# Altium PCB PowerTowerAdapterUltraZohm.PcbDoc (part 1 of 2) (continued)
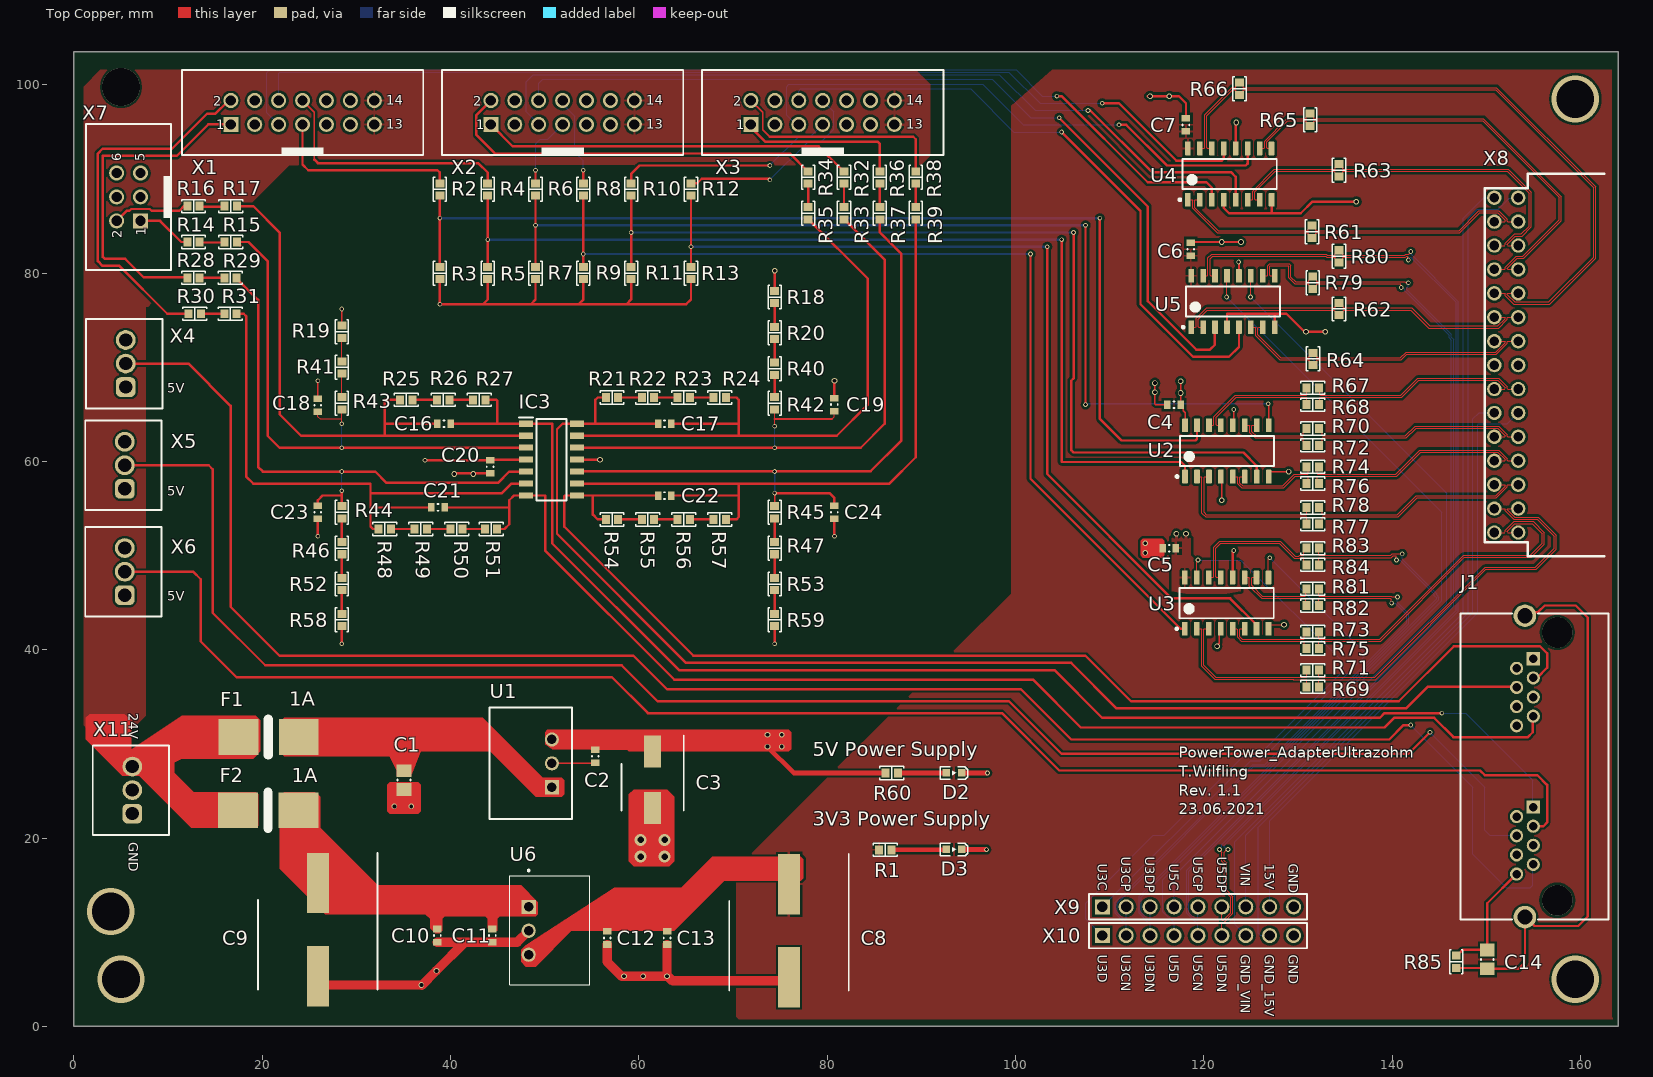
[diagram p0: Top Copper view]
## Components (designator, comment, footprint, x,y, rotation, side; value= is the part's Value field where it differs from the comment) (continued)
R38 "20k" "RES 0603_1608" 89.408,90.17 r270 top
R39 "30k" "RES 0603_1608" 89.408,86.36 r270 top
R40 "56k" "RES 0603_1608" 74.422,69.85 r90 top
R41 "200R" "RES 0603_1608" 28.448,69.992 r90 top
R42 "56k" "RES 0603_1608" 74.422,66.182 r90 top
R43 "91k" "RES 0603_1608" 28.448,66.182 r90 top
R44 "56k" "RES 0603_1608" 28.448,54.61 r270 top
R45 "56k" "RES 0603_1608" 74.422,54.61 r270 top
R46 "56k" "RES 0603_1608" 28.448,50.8 r270 top
R47 "56k" "RES 0603_1608" 74.422,50.8 r270 top
R48 "56k" "RES 0603_1608" 33.02,52.832 r0 top
R49 "56k" "RES 0603_1608" 36.83,52.832 r0 top
R50 "560R" "RES 0603_1608" 40.64,52.832 r0 top
R51 "240R" "RES 0603_1608" 44.308,52.832 r0 top
R52 "560R" "RES 0603_1608" 28.448,46.99 r270 top
R53 "560R" "RES 0603_1608" 74.422,46.99 r270 top
R54 "56k" "RES 0603_1608" 57.15,53.848 r0 top
R55 "56k" "RES 0603_1608" 60.96,53.848 r0 top
R56 "560R" "RES 0603_1608" 64.77,53.848 r0 top
R57 "240R" "RES 0603_1608" 68.58,53.848 r0 top
R58 "240R" "RES 0603_1608" 28.448,43.18 r270 top
R59 "240R" "RES 0603_1608" 74.422,43.18 r270 top
R60 "1k1" "RES 0603_1608" 86.868,26.924 r180 top
R61 "dnp" "RES 0603_1608" 131.5,84.4 r90 top
R62 "dnp" "RES 0603_1608" 134.366,76.2 r270 top
R63 "dnp" "RES 0603_1608" 134.366,90.932 r90 top
R64 "dnp" "RES 0603_1608" 131.6,70.9 r270 top
R65 "dnp" "RES 0603_1608" 131.3,96.3 r90 top
R66 "dnp" "RES 0603_1608" 123.8,99.6 r270 top
R67 "47R" "RES 0603_1608" 131.572,67.818 r0 top
R68 "47R" "RES 0603_1608" 131.572,66.04 r0 top
R69 "47R" "RES 0603_1608" 131.572,36.068 r0 top
R70 "47R" "RES 0603_1608" 131.572,63.5 r0 top
R71 "47R" "RES 0603_1608" 131.572,37.846 r0 top
R72 "47R" "RES 0603_1608" 131.572,61.722 r0 top
R73 "47R" "RES 0603_1608" 131.572,41.91 r0 top
R74 "47R" "RES 0603_1608" 131.572,59.436 r0 top
R75 "47R" "RES 0603_1608" 131.572,40.132 r0 top
R76 "47R" "RES 0603_1608" 131.572,57.658 r0 top
R77 "47R" "RES 0603_1608" 131.572,53.34 r0 top
R78 "47R" "RES 0603_1608" 131.572,55.118 r0 top
R79 "dnp" "RES 0603_1608" 131.572,78.994 r90 top
R80 "dnp" "RES 0603_1608" 134.366,81.788 r270 top
R81 "47R" "RES 0603_1608" 131.572,46.482 r0 top
R82 "47R" "RES 0603_1608" 131.572,44.704 r0 top
R83 "47R" "RES 0603_1608" 131.572,50.8 r0 top
R84 "47R" "RES 0603_1608" 131.572,49.022 r0 top
R85 "1M" "RES 0603_1608" 146.812,6.858 r270 top
U1 "#NAME?" FDSM_SIP-3 48.514,27.94 r90 top value="5 W"
U2 "#NAME?" TI_D-R-PDSO-G16_N 122.455,61.125 r90 top
U3 "#NAME?" TI_D-R-PDSO-G16_N 122.428,44.958 r90 top
U4 "#NAME?" TI_D-R-PDSO-G16_N 122.755,90.525 r90 top
U5 "#NAME?" TI_D-R-PDSO-G16_N 123.1,77 r90 top
U6 "#NAME?" CONV_R-78C3.3-1.0 50.546,10.16 r270 top value=3V3@1A
X1 "#NAME?" 61201421621 24.28,97.07 r0 top
X2 "#NAME?" 61201421621 51.9,97.07 r0 top
X3 "#NAME?" 61201421621 79.52,97.07 r0 top
X4 "#NAME?" 691382000003 5.35,70.4 r90 top
X5 "#NAME?" 691382000003 5.25,59.6 r90 top
X6 "#NAME?" 691382000003 5.25,48.3 r90 top
X7 "#NAME?" 61200621621 5.8,88.1 r90 top
X8 "#NAME?" IPL1-115-01-XX-D-RA 163.052,70.24 r270 top
X9 "#NAME?" 61300911121 119.38,12.7 r0 top
X10 "#NAME?" 61300911121 119.38,9.652 r0 top
X11 "#NAME?" 691382000003 6.05,25.1 r90 top

## Footprints (in the part's own frame and the unit in brackets; to place one, negate y for a bottom-side part, rotate by r counter-clockwise, add the part's x,y. Pads: shape width x height; smd on the part's side, far side on the other; paste and mask are expansions set on the pad)
61200621621 [mm] "6 pins, straight, gold plating"
  rect 1.6x1.6 hole 1.1: 1(-2.54,-1.27)
  round 1.6 hole 1.1: 2(-2.54,1.27) 3(0,-1.27) 4(0,1.27) 5(2.54,-1.27) 6(2.54,1.27)
  silkscreen extent -7.74,-4.5 7.74,4.5, body extent -7.64,-4.43 7.64,4.75, height 9.13
61201421621 [mm] "14 pins, straight, gold plating"
  rect 1.6x1.6 hole 1.1: 1(-7.62,-1.27)
  round 1.6 hole 1.1: 2(-7.62,1.27) 3(-5.08,-1.27) 4(-5.08,1.27) 5(-2.54,-1.27) 6(-2.54,1.27) 7(0,-1.27) 8(0,1.27) 9(2.54,-1.27) 10(2.54,1.27) 11(5.08,-1.27) 12(5.08,1.27) 13(7.62,-1.27) 14(7.62,1.27)
  silkscreen extent -12.82,-4.5 12.82,4.5, body extent -12.72,-4.42 12.72,4.75, height 9.13
61300911121 [mm] "Pin Header, pitch 2.54 mm, THT, Vertical, single row, 9p"
  rect 1.6x1.6 hole 1.1: 1(-10.16,0)
  round 1.6 hole 1.1: 2(-7.62,0) 3(-5.08,0) 4(-2.54,0) 5(0,0) 6(2.54,0) 7(5.08,0) 8(7.62,0) 9(10.16,0)
  silkscreen extent -11.58,-1.35 11.58,1.35, body extent -11.43,-1.27 11.43,1.27, height 8.57
691382000003 [mm] "Vertical PCB Header, pitch 2.5mm, 03p"
  rrect50% 2.1x2.1 hole 1.4: 1(-2.5,-0.15)
  round 2.1 hole 1.4: 2(0,-0.15) 3(2.5,-0.15)
  silkscreen extent -4.75,-4.05 4.75,4.05, body extent -4.75,-4.05 4.75,4.05, height 10.14
C_0603 [mm] "Chip Capacitor, Body 1.6x0.8mm, Height 1.0mm, IPC High Density"
  rect 0.7x0.9 smd: 1(-0.7,0) 2(0.7,0)
  silkscreen extent -0.05,-0.35 0.05,0.35, body extent -0.87,-0.47 0.88,0.48, height 1
C_0805 [mm] "Chip Capacitor, Body 2.0x1.2mm, Height 1.45mm, IPC Low Density"
  rect 1.35x1.55 smd: 1(-1,0) 2(1,0)
  silkscreen extent -0.05,-0.68 0.05,0.67, body extent -1.1,-0.72 1.1,0.72, height 1.45
CAPAE660X610N [mm]
  rect 3.4x1.8 smd: 1(-3,0) 2(3,0)
  silkscreen extent -4.7,-3.3 3.3,3.3, body extent -3.9,-3.4 3.9,3.4, height 6.1
CAPAE1270X1400N [mm]
  rect 6.4x2.35 smd: 1(-4.95,0) 2(4.95,0)
  silkscreen extent -8.15,-6.35 6.35,6.35, body extent -7.45,-6.45 7.45,6.45, height 14
CONV_R-78C3.3-1.0 [mm]
  rect 1.508x1.508 hole 1: 1(-2.54,-2.25)
  round 1.508 hole 1: 2(0,-2.25) 3(2.54,-2.25)
  silkscreen extent -6.5,-4.25 5.75,4.25, body extent -5.8,-4.26 5.8,4.25, height 9.9
FDSM_SIP-3 [mm] "Fixed Step Down Regulator Module, SIP-3"
  rect 1.5x1.5 hole 1: 1(-2.54,-2.25)
  round 1.5 hole 1: 2(0,-2.25) 3(2.54,-2.25)
  silkscreen extent -5.92,-4.37 5.92,4.38, body extent -5.8,-4.25 5.8,4.25, height 10.55
IPL1-115-01-XX-D-RA [mil]
  round 60 hole 40 mask+3: 1(-700,-380) 2(-600,-380) 3(-500,-380) 4(-400,-380) 5(-300,-380) 6(-200,-380) 7(-100,-380) 8(0,-380) 9(100,-380) 10(200,-380) 11(300,-380) 12(400,-380) 13(500,-380) 14(600,-380) 15(700,-380) 16(-700,-480) 17(-600,-480) 18(-500,-480) 19(-400,-480) 20(-300,-480) 21(-200,-480) 22(-100,-480) 23(0,-480) 24(100,-480) 25(200,-480) 26(300,-480) 27(400,-480) 28(500,-480) 29(600,-480) 30(700,-480)
  silkscreen extent -800,-520 800,-20, body extent -780,-492 780,0, height 315
Littlefuse_154 [mm]
  rect 4.24x3.81 smd: 1(0,0) 2(6.4,0)
  silkscreen extent 3.18,-1.9 3.18,1.91, body extent -1.66,-2.49 8.04,2.51, height 3.71
"RES 0603_1608" [mm] "Chip Resistor, 2-Leads, Body 1.60x0.80mm, IPC Medium Density"
  rect 0.85x0.95 smd: 1(-0.65,0) 2(0.65,0)
  silkscreen extent -1.27,-0.7 1.27,0.7, body extent -0.8,-0.4 0.8,0.4, height 0.45
RJHSE-5380-02 [mm] "Modular Jack Horizontal Shielded Dual Port 8P8C Tab Up"
  rect 1.4x1.4 hole 0.9: A1(9.906,2.54) B1(25.654,2.54)
  round 1.4 hole 0.9: A2(8.89,4.318) A3(7.874,2.54) A4(6.858,4.318) A5(5.842,2.54) A6(4.826,4.318) A7(3.81,2.54) A8(2.794,4.318) B2(24.638,4.318) B3(23.622,2.54) B4(22.606,4.318) B5(21.59,2.54) B6(20.574,4.318) B7(19.558,2.54) B8(18.542,4.318)
  round 3.25 hole 3.25 unplated: MH1(0,0) MH2(28.448,0)
  round 2.4 hole 1.6: S1(-1.778,3.429) S2(30.226,3.429)
  silkscreen extent -2.03,-5.46 30.48,10.29, body extent -3.5,-5.41 31.95,10.29, height 15.06
SOIC127P600X175-14N [mm]
  rect 1.525x0.65 smd: 1(-2.712,3.81) 2(-2.712,2.54) 3(-2.712,1.27) 4(-2.712,0) 5(-2.712,-1.27) 6(-2.712,-2.54) 7(-2.712,-3.81) 8(2.712,-3.81) 9(2.712,-2.54) 10(2.712,-1.27) 11(2.712,0) 12(2.712,1.27) 13(2.712,2.54) 14(2.712,3.81)
  silkscreen extent -3.48,-4.33 1.6,4.48, body extent -3,-4.33 3,4.33, height 1.75
TI_D-R-PDSO-G16_N [mm] "SOIC, 16-Leads, Body 10x4mm, Pitch 1.27mm, IPC Medium Density"
  rrect17% 1.45x0.6 smd: 1(-2.725,4.445) 2(-2.725,3.175) 3(-2.725,1.905) 4(-2.725,0.635) 5(-2.725,-0.635) 6(-2.725,-1.905) 7(-2.725,-3.175) 8(-2.725,-4.445) 9(2.725,-4.445) 10(2.725,-3.175) 11(2.725,-1.905) 12(2.725,-0.635) 13(2.725,0.635) 14(2.725,1.905) 15(2.725,3.175) 16(2.725,4.445)
  silkscreen extent -2.85,-5 1.6,5.42, body extent -3,-4.95 3,4.95, height 1.59
WL-SMCW_0603 [mm] "SMD Mono-color Chip LED, body 1.6x0.8mm"
  rect 0.8x0.8 smd: 1(-0.8,0) 2(0.8,0)
  silkscreen extent -1.45,-0.65 1.45,0.65, body extent -0.8,-0.4 0.8,0.4, height 0.7

## Part data
C1: library part GRM219R61E106KA12D, "Capacitor 0805, 25 VDC, 10 µF, X5R", Device Package=0805, Manufacturer=muRata, Operating Temperature="-55 - 85°C", Supplier Part Number 1=81-GRM219R61E106KA2D, Tolerance="10 %", Voltage Rating="25 VDC", ComponentLink1Description=Datasheet, ComponentLink1URL=https://www.mouser.de/datasheet/2/281/murata_03052018_GRM_Series_1-1310166.pdf, Component Type="Capacitor 0805", Created from=MGremer, Created On="20.12.2020 13:54:13", Last Updated="20.12.2020 16:34:30", Live Cycle Status=1, Manufacturer Part Number=GRM219R61E106KA12D, Mounting Type=SMD, PartID=13, Series=GRM, Stock number="Labor SMD Container", Supplier 1=Mouser, Type=Capacitor
C2 C4 C5: library part C0603C104J3REC7411, "Capacitor 0603, 25 VDC, 0.1 µF, X7R", Device Package=0603, Manufacturer=KEMET, Operating Temperature="-55 - 125°C", Supplier Part Number 1=80-C0603C104J3RE7411, Tolerance="5 %", Voltage Rating="25 VDC", ComponentLink1Description=Datasheet, ComponentLink1URL=https://www.mouser.de/datasheet/2/212/1/KEM_C1090_X7R_ESD-1103328.pdf, Component Type="Capacitor 0603", Created from=MGremer, Created On="20.12.2020 13:54:13", Last Updated="20.12.2020 16:43:29", Live Cycle Status=1, Manufacturer Part Number=C0603C104J3REC7411, Mounting Type=SMD, PartID=2, Series="ESD SMD Auto X7R", Stock number="Labor SMD Container", Supplier 1=Mouser, Type=Capacitor
C3: library part EEE-FK0J101V, "Capacitor EEE, 6.3VDC, 100uF", Device Package=EEE, Manufacturer=Panasonic, Operating Temperature="-55 - 105°C", Supplier Part Number 1=667-EEE-FK0J101V, Tolerance=20%, Voltage Rating="6.3 VDC", ComponentLink1Description=Datasheet, ComponentLink1URL=https://www.mouser.de/datasheet/2/315/ABA0000C1181-947564.pdf, Component Type="Capacitor Al Electrolyt", Created from=TWilfling, Created On="28.05.2021 17:07:38", Last Updated="28.05.2021 17:48:36", Live Cycle Status=1, Manufacturer Part Number=EEE-FK0J101V, Mounting Type=SMD, PartID=71, Series=FK-V, Stock number="not stored", Supplier 1=Mouser, Type=Capacitor
C6 C7 C11 C12 C13 C20: library part C0603X104K5RAC7411, "Capacitor 0603, 50 VDC, 0.1 µF, X7R", Device Package=0603, LCSC Part Number=C14663, Manufacturer=KEMET, Operating Temperature="-55 - 125°C", Supplier Part Number 1=80-C0603X104K5R7411, Tolerance="10 %", Voltage Rating="50 VDC", ComponentLink1Description=Datasheet, ComponentLink1URL=https://www.mouser.de/datasheet/2/212/1/KEM_C1013_X7R_FT_CAP_SMD-1103280.pdf, Component Type="Capacitor 0603", Created from=MGremer, Created On="20.12.2020 13:54:13", Last Updated="04.03.2021 09:24:28", Live Cycle Status=1, Manufacturer Part Number=C0603X104K5RAC7411, Mounting Type=SMD, PartID=3, Series="SMD Comm X7R Flex", Stock number="Labor SMD Container", Supplier 1=Mouser, Supplier 2=LCSC, Supplier Part Number 2=#NAME?, Type=Capacitor
C8 C9: library part MAL216099101E3, "Capacitor Al Electrolyt, 100 uF, 50VDC", Manufacturer=Vishay, Operating Temperature="-55 - 150°C", Supplier Part Number 1=594-MAL216099101E3, Tolerance=20%, Voltage Rating="50 VDC", ComponentLink1Description=Datasheet, ComponentLink1URL=https://www.mouser.de/datasheet/2/427/160cla-1762101.pdf, Component Type="Capacitor Al Electrolyt", Created from=TWilfling, Created On="28.05.2021 17:32:00", Last Updated="28.05.2021 17:47:40", Live Cycle Status=1, Manufacturer Part Number=MAL216099101E3, Mounting Type=SMD, PartID=72, Series="160 CLA", Stock number="not stored", Supplier 1=Mouser, Type=Capacitor
C10: library part UMK107AB7105KA-T, "Capacitor 0603, 50 VDC, 1 µF, X7R", Device Package=0603, Manufacturer="Taiyo Yuden", Operating Temperature="-55 - 125°C", Supplier Part Number 1=963-UMK107AB7105KA-T, Tolerance="10 %", Voltage Rating="50 VDC", ComponentLink1Description=Datasheet, ComponentLink1URL=https://www.mouser.de/datasheet/2/396/mlcc02_e-1307760.pdf, Component Type="Capacitor 0603", Created from=MGremer, Created On="20.12.2020 13:54:13", Last Updated="20.12.2020 16:42:28", Live Cycle Status=1, Manufacturer Part Number=UMK107AB7105KA-T, Mounting Type=SMD, PartID=5, Series=M, Stock number="Labor SMD Container", Supplier 1=Mouser, Type=Capacitor
C14: library part C0805C104J5RECTU, "Capacitor 0805, 50 VDC, 0.1 µF, X7R", Device Package=0805, Manufacturer=KEMET, Operating Temperature="-55 - 125°C", Supplier Part Number 1=80-C0805C104J5RECTU, Tolerance="5 %", Voltage Rating="50 VDC", ComponentLink1Description=Datasheet, ComponentLink1URL=https://www.mouser.de/datasheet/2/212/KEM_C1002_X7R_SMD-1102033.pdf, Component Type="Capacitor 0805", Created from=MGremer, Created On="20.12.2020 13:54:13", Last Updated="20.12.2020 16:34:30", Live Cycle Status=1, Manufacturer Part Number=C0805C104J5RECTU, Mounting Type=SMD, PartID=17, Series="SMD Comm X7R", Stock number="Labor SMD Container", Supplier 1=Mouser, Type=Capacitor
C16 C17 C21 C22: library part 885012006057, "Capacitor 0603, 50 VDC, 100 pF, C0G", Device Package=0603, Manufacturer="Wuerth Elektronik", Operating Temperature="-55 - 125°C", Supplier Part Number 1=710-885012006057, Tolerance="5 %", Voltage Rating="50 VDC", ComponentLink1Description=Datasheet, ComponentLink1URL=https://www.mouser.de/datasheet/2/445/885012006057-1727261.pdf, Component Type="Capacitor 0603", Created from=MGremer, Created On="20.12.2020 13:54:13", Last Updated="20.12.2020 16:24:16", Live Cycle Status=1, Manufacturer Part Number=885012006057, Mounting Type=SMD, PartID=44, Series=WCAP-CSGP, Stock number="not stored", Supplier 1=Mouser, Type=Capacitor
C18 C19 C23 C24: library part GCJ188R71H103KA01D, "Capacitor 0603, 50 VDC, 0.01 µF, X7R", Device Package=0603, Manufacturer=muRata, Operating Temperature="-55 - 125°C", Supplier Part Number 1=81-GCJ188R71H103KA1D, Tolerance="10 %", Voltage Rating="50 VDC", ComponentLink1Description=Datasheet, ComponentLink1URL=https://www.mouser.de/datasheet/2/281/c03e-516224.pdf, Component Type="Capacitor 0603", Created from=MGremer, Created On="20.12.2020 13:54:13", Last Updated="20.12.2020 16:24:16", Live Cycle Status=1, Manufacturer Part Number=GCJ188R71H103KA01D, Mounting Type=SMD, PartID=1, Series=GCJ, Stock number="Labor SMD Container", Supplier 1=Mouser, Type=Capacitor
D2: library part 150060GS84000, "WL-SMCW SMD Mono-color Chip LED Waterclear Green", Color=green, Device Package=0603, Forward Current I_f="20 mA", Forward Voltage U_f="3.2 V", Manufacturer="Wuerth Elektronik", Nominal Power="78 mW", Operating Temperature="-40 - 85 °C", Supplier Part Number 1=710-150060GS84000, ComponentLink1Description=Datasheet, ComponentLink1URL=https://www.mouser.de/datasheet/2/445/150060GS75020-1714345.pdf, Component Type="LED Diode", Created from=MGremer, Created On="08.12.2020 10:41:11", Last Updated="03.03.2021 09:59:51", Light Intensity="3000 mcd", Live Cycle Status=1, Manufacturer Part Number=150060GS84000, Mounting Type=SMD, PartID=2, Stock number="not stored", Supplier 1=Mouser, Supplier 2=Farnell, Supplier 3=Digi-Key, Supplier Part Number 2=3408612, Supplier Part Number 3=732-150060GS84000CT-ND, Type=Standard, Wavelength="525 nm"
D3: library part 150060RS86000, "WL-SMCW SMD Mono-color Chip LED Waterclear Red", Color=red, Device Package=0603, Forward Current I_f="20 mA", Forward Voltage U_f="2 V", Manufacturer="Wuerth Elektronik", Nominal Power="48 mW", Operating Temperature="-40 - 85 °C", Supplier Part Number 1=710-150060RS86000, ComponentLink1Description=Datasheet, ComponentLink1URL=https://www.mouser.de/datasheet/2/445/150120RS75000-1714636.pdf, Component Type="LED Diode", Created from=MGremer, Created On="08.12.2020 10:48:12", Last Updated="03.03.2021 09:59:52", Light Intensity="800 mcd", Live Cycle Status=1, Manufacturer Part Number=150060RS86000, Mounting Type=SMD, PartID=3, Stock number="not stored", Supplier 1=Mouser, Supplier 2=Farnell, Supplier 3=Digi-Key, Supplier Part Number 2=3408608, Supplier Part Number 3=732-150060RS86000CT-ND, Type=Standard, Wavelength="624 nm"
F1 F2: library part 0154001.DR, "Duse OMNI BLOK 154", Device Package=OMNI-BLOK, Manufacturer=Littelfuse, Nominal current="1 A", Nominal voltage AC="125 VAC", Nominal voltage DC="125 VDC", Operating Temperature="-55 - 125 °C", Resistance="78 mOhm", Supplier Part Number 1=576-0154001.DR, ComponentLink1Description=Datasheet, ComponentLink1URL=https://www.mouser.de/datasheet/2/240/Littelfuse_Fuse_154_154T_154L_154TL_Datasheet_pdf-365375.pdf, Component Type="NAN02 - 154 OMNI-BLOK", Created from=TWilfling, Created On="07.05.2021 06:50:33", Last Updated="11.05.2021 11:17:19", Live Cycle Status=1, Manufacturer Part Number=0154001.DR, Mounting Type=SMD, PartID=4, Series=154, Stock number="not stored", Supplier 1=Mouser, Type=Fuse
IC3: library part AD8554ARZ, "Differential Amplifier, 3V 1.5MHz, 145dB", Device Package=SOIC-14, Manufacturer="Analog Devices", Operating Temperature="-40 - 125°C", Supplier Part Number 1=412-995, Channels=4, CMRR="145 dB", ComponentLink1Description=Datasheet, ComponentLink1URL=https://docs.rs-online.com/3587/0900766b814b3148.pdf, ComponentLink2Description=[NULL], ComponentLink2URL=[NULL], Component Type="Differential Amplifier", Created from=TWilfling, Created On="07.05.2021 08:10:59", GBP="1.5 MHz", Last Updated="07.05.2021 08:11:15", Live Cycle Status=1, Manufacturer Part Number=AD8554ARZ, Mounting Type=SMD, PartID=5, Stock number="not stored", Supplier 1=RS, Type="Differential Amplifier"
J1: library part RJHSE538002, "CAT5, RJ45 Connector, 1x2", Device Package=RJ45, Manufacturer=Amphenol, Supplier Part Number 1=1860605, ComponentLink1Description=Datasheet, ComponentLink1URL=https://www.farnell.com/cad/2360382.pdf, Component Type="RJ45 Connector", Created from=MGremer, Created On="22.02.2021 16:43:38", Last Updated="22.02.2021 16:43:38", Live Cycle Status=1, Manufacturer Part Number=RJHSE538002, Mounting Type=THT, PartID=4, Series=RJHSE, Stock number="not stored", Supplier 1=Farnell, Type="RJ45 Connector"
R1: library part RK73B1JTTDD751J, "SMD resistor E24 series", Device Package=0603, Manufacturer="KOA Speer", Supplier Part Number 1=660-RK73B1JTTDD751J, Tolerance=5%, ComponentLink1Description=Datasheet, ComponentLink1URL=https://www.mouser.de/datasheet/2/219/RK73B-1825463.pdf, Component Type="SMD resistor", Created from=MGremer, Created On="14.12.2020 16:17:14", Last Updated="02.03.2021 14:07:32", Live Cycle Status=1, Manufacturer Part Number=RK73B1JTTDD751J, Mounting Type=SMD, PartID=71, Stock number="Labor SMD Container", Supplier 1=Mouser, Type=Resistor
R2 R3 R4 R5 R6 R7 R8 R9 R10 R11 R12 R13: library part RK73B1JTTD103J, "SMD resistor E24 series", Device Package=0603, Manufacturer="KOA Speer", Supplier Part Number 1=660-RK73B1JTTD103J, Tolerance=5%, ComponentLink1Description=Datasheet, ComponentLink1URL=https://www.mouser.de/datasheet/2/219/RK73B-1825463.pdf, Component Type="SMD resistor", Created from=MGremer, Created On="14.12.2020 16:17:14", Last Updated="02.03.2021 14:07:32", Live Cycle Status=1, Manufacturer Part Number=RK73B1JTTD103J, Mounting Type=SMD, PartID=98, Stock number="Labor SMD Container", Supplier 1=Mouser, Type=Resistor
R14 R16 R28 R30 R32 R34 R36 R38: library part RK73B1JTTD203J, "SMD resistor E24 series", Device Package=0603, Manufacturer="KOA Speer", Supplier Part Number 1=660-RK73B1JTTD203J, Tolerance=5%, ComponentLink1Description=Datasheet, ComponentLink1URL=https://www.mouser.de/datasheet/2/219/RK73B-1825463.pdf, Component Type="SMD resistor", Created from=MGremer, Created On="14.12.2020 16:17:14", Last Updated="02.03.2021 14:07:32", Live Cycle Status=1, Manufacturer Part Number=RK73B1JTTD203J, Mounting Type=SMD, PartID=105, Stock number="Labor SMD Container", Supplier 1=Mouser, Type=Resistor
R15 R17 R29 R31 R33 R35 R37 R39: library part RK73B1JTTD303J, "SMD resistor E24 series", Device Package=0603, Manufacturer="KOA Speer", Supplier Part Number 1=660-RK73B1JTTD303J, Tolerance=5%, ComponentLink1Description=Datasheet, ComponentLink1URL=https://www.mouser.de/datasheet/2/219/RK73B-1825463.pdf, Component Type="SMD resistor", Created from=MGremer, Created On="14.12.2020 16:17:14", Last Updated="02.03.2021 14:07:32", Live Cycle Status=1, Manufacturer Part Number=RK73B1JTTD303J, Mounting Type=SMD, PartID=109, Stock number="Labor SMD Container", Supplier 1=Mouser, Type=Resistor
R18 R24 R51 R57 R58 R59: library part RK73B1JTTDD241J, "SMD resistor E24 series", Device Package=0603, Manufacturer="KOA Speer", Supplier Part Number 1=660-RK73B1JTTDD241J, Tolerance=5%, ComponentLink1Description=Datasheet, ComponentLink1URL=https://www.mouser.de/datasheet/2/219/RK73B-1825463.pdf, Component Type="SMD resistor", Created from=MGremer, Created On="14.12.2020 16:17:14", Last Updated="02.03.2021 14:07:32", Live Cycle Status=1, Manufacturer Part Number=RK73B1JTTDD241J, Mounting Type=SMD, PartID=59, Stock number="Labor SMD Container", Supplier 1=Mouser, Type=Resistor
R19 R26: library part RK73B1JTTDD242J, "SMD resistor E24 series", Device Package=0603, Manufacturer="KOA Speer", Supplier Part Number 1=660-RK73B1JTTDD242J, Tolerance=5%, ComponentLink1Description=Datasheet, ComponentLink1URL=https://www.mouser.de/datasheet/2/219/RK73B-1825463.pdf, Component Type="SMD resistor", Created from=MGremer, Created On="14.12.2020 16:17:14", Last Updated="02.03.2021 14:07:32", Live Cycle Status=1, Manufacturer Part Number=RK73B1JTTDD242J, Mounting Type=SMD, PartID=83, Stock number="Labor SMD Container", Supplier 1=Mouser, Type=Resistor
R20 R23 R50 R52 R53 R56: library part RK73B1JTTD561J, "SMD resistor E24 series", Device Package=0603, Manufacturer="KOA Speer", Supplier Part Number 1=660-RK73B1JTTD561J, Tolerance=5%, ComponentLink1Description=Datasheet, ComponentLink1URL=https://www.mouser.de/datasheet/2/219/RK73B-1825463.pdf, Component Type="SMD resistor", Created from=MGremer, Created On="14.12.2020 16:17:14", Last Updated="02.03.2021 14:07:32", Live Cycle Status=1, Manufacturer Part Number=RK73B1JTTD561J, Mounting Type=SMD, PartID=68, Stock number="Labor SMD Container", Supplier 1=Mouser, Type=Resistor
R21 R22 R40 R42 R44 R45 R46 R47 R48 R49 R54 R55: library part RK73B1JTTDD563J, "SMD resistor E24 series", Device Package=0603, Manufacturer="KOA Speer", Supplier Part Number 1=660-RK73B1JTTDD563J, Tolerance=5%, ComponentLink1Description=Datasheet, ComponentLink1URL=https://www.mouser.de/datasheet/2/219/RK73B-1825463.pdf, Component Type="SMD resistor", Created from=MGremer, Created On="14.12.2020 16:17:14", Last Updated="02.03.2021 14:07:32", Live Cycle Status=1, Manufacturer Part Number=RK73B1JTTDD563J, Mounting Type=SMD, PartID=116, Stock number="Labor SMD Container", Supplier 1=Mouser, Type=Resistor
R25 R41: library part RK73B1JTTD201J, "SMD resistor E24 series", Device Package=0603, Manufacturer="KOA Speer", Supplier Part Number 1=660-RK73B1JTTD201J, Tolerance=5%, ComponentLink1Description=Datasheet, ComponentLink1URL=https://www.mouser.de/datasheet/2/219/RK73B-1825463.pdf, Component Type="SMD resistor", Created from=MGremer, Created On="14.12.2020 16:17:14", Last Updated="02.03.2021 14:07:32", Live Cycle Status=1, Manufacturer Part Number=RK73B1JTTD201J, Mounting Type=SMD, PartID=57, Stock number="Labor SMD Container", Supplier 1=Mouser, Type=Resistor
R27 R43: library part RK73B1JTTDD913J, "SMD resistor E24 series", Device Package=0603, Manufacturer="KOA Speer", Supplier Part Number 1=660-RK73B1JTTDD913J, Tolerance=5%, ComponentLink1Description=Datasheet, ComponentLink1URL=https://www.mouser.de/datasheet/2/219/RK73B-1825463.pdf, Component Type="SMD resistor", Created from=MGremer, Created On="14.12.2020 16:17:14", Last Updated="02.03.2021 14:07:32", Live Cycle Status=1, Manufacturer Part Number=RK73B1JTTDD913J, Mounting Type=SMD, PartID=121, Stock number="Labor SMD Container", Supplier 1=Mouser, Type=Resistor
R60: library part RK73B1JTTDD112J, "SMD resistor E24 series", Device Package=0603, Manufacturer="KOA Speer", Supplier Part Number 1=660-RK73B1JTTDD112J, Tolerance=5%, ComponentLink1Description=Datasheet, ComponentLink1URL=https://www.mouser.de/datasheet/2/219/RK73B-1825463.pdf, Component Type="SMD resistor", Created from=MGremer, Created On="14.12.2020 16:17:14", Last Updated="02.03.2021 14:07:32", Live Cycle Status=1, Manufacturer Part Number=RK73B1JTTDD112J, Mounting Type=SMD, PartID=75, Stock number="Labor SMD Container", Supplier 1=Mouser, Type=Resistor
R61 R62 R63 R64 R65 R66 R79 R80: library part -, "SMD resistor E24 series", Device Package=0603, ComponentLink1Description=Datasheet, ComponentLink1URL=-, Component Type="SMD resistor", Created from=MGremer, Created On="14.12.2020 16:17:14", Last Updated="02.03.2021 14:07:32", Live Cycle Status=1, Manufacturer=-, Manufacturer Part Number=-, Mounting Type=SMD, PartID=147, Stock number="Labor SMD Container", Supplier 1=-, Supplier Part Number 1=-, Tolerance=-, Type=Resistor
R67 R68 R69 R70 R71 R72 R73 R74 R75 R76 R77 R78 R81 R82 R83 R84: library part RK73B1JTTDD470J, "SMD resistor E24 series", Device Package=0603, LCSC Part Number=C23182, Manufacturer="KOA Speer", Supplier Part Number 1=660-RK73B1JTTDD470J, Tolerance=5%, ComponentLink1Description=Datasheet, ComponentLink1URL=https://www.mouser.de/datasheet/2/219/RK73B-1825463.pdf, Component Type="SMD resistor", Created from=MGremer, Created On="14.12.2020 16:17:14", Last Updated="04.03.2021 09:09:42", Live Cycle Status=1, Manufacturer Part Number=RK73B1JTTDD470J, Mounting Type=SMD, PartID=42, Stock number="Labor SMD Container", Supplier 1=Mouser, Supplier 2=LCSC, Supplier Part Number 2=#NAME?, Type=Resistor
R85: library part RK73B1JTTDD105J, "SMD resistor E24 series", Device Package=0603, Manufacturer="KOA Speer", Supplier Part Number 1=660-RK73B1JTTDD105J, Tolerance=5%, ComponentLink1Description=Datasheet, ComponentLink1URL=https://www.mouser.de/datasheet/2/219/RK73B-1825463.pdf, Component Type="SMD resistor", Created from=MGremer, Created On="14.12.2020 16:17:14", Last Updated="02.03.2021 14:07:32", Live Cycle Status=1, Manufacturer Part Number=RK73B1JTTDD105J, Mounting Type=SMD, PartID=146, Stock number="Labor SMD Container", Supplier 1=Mouser, Type=Resistor
U1: library part 173010578, "Not isolated DCDC Converter 5 V Output, 1 A, 8 - 28 V Input", Device Package=FDSM, Manufacturer="Wuerth Elektronik", Supplier Part Number 1=710-173010578, ComponentLink1Description=Datasheet, ComponentLink1URL=https://www.mouser.de/datasheet/2/445/173010578-1716125.pdf, Component Type="Not isolated DCDC Converter", Created from=MGremer, Created On="06.01.2021 09:48:37", Last Updated="06.05.2021 06:17:55", Live Cycle Status=1, Manufacturer Part Number=173010578, Mounting Type=THT, PartID=11, Series=MagI3C-FDSM, Stock number="not stored", Supplier 1=Mouser, Type="not isolated DCDC converter"
U2 U3: library part DS26C31TMX/NOPB, "CMOS Quad Tri-State Differential Line Drivers, 16-pin Narrow SOIC, Pb-Free", Device Package=SOIC, LCSC Part Number=C132085, Manufacturer="Texas Instruments", Operating Temperature="-40°C - 85°C", Supplier Part Number 1=DS26C31TMX/NOPBCT-ND, ComponentLink1Description=Datasheet, ComponentLink1URL=http://www.ti.com/general/docs/lit/getliterature.tsp?genericPartNumber=DS26C31T&fileType=pdf, Component Type="RS422 Driver", Created from="T. Wendt", Created On="01.03.2021 10:08:45", Last Updated="04.03.2021 09:04:43", Live Cycle Status=1, Manufacturer Part Number=DS26C31TMX/NOPB, Minimum Order=1, Mounting Type=SMD, PartID=1, Series=DS26C31, Stock number="not stored", Supplier 1=Digi-Key, Supplier 2=Mouser, Supplier 3=LCSC, Supplier Part Number 2=926-DS26C31TMX/NOPB, Supplier Part Number 3=#NAME?, Type=Standard
U4 U5: library part DS26LV32ATM/NOPB, "3V Enhanced CMOS Quad Differential Line Receiver, 16-pin Narrow SOIC, Pb-Free", Device Package=SOIC, LCSC Part Number=C59861, Manufacturer="Texas Instruments", Operating Temperature="-40°C - 85°C", Supplier Part Number 1=926-DS26LV32ATM/NOPB, ComponentLink1Description=Datasheet, ComponentLink1URL=http://www.ti.com/general/docs/lit/getliterature.tsp?genericPartNumber=DS26LV32AT&fileType=pdf, Component Type="RS422 Receiver", Created from="T. Wendt", Created On="01.03.2021 10:35:45", Last Updated="04.03.2021 09:04:43", Live Cycle Status=1, Manufacturer Part Number=DS26LV32ATM/NOPB, Minimum Order=1, Mounting Type=SMD, PartID=2, Series=DS26LV32, Stock number="not stored", Supplier 1=Mouser, Supplier 2=Mouser, Supplier 3=LCSC, Supplier Part Number 2=926-DS26LV32ATMXNOPB, Supplier Part Number 3=#NAME?, Type=Standard
U6: library part R-78C3.3-1.0, "Not isolated DCDC Converter 3V3 Output, 1A, 7 - 42V Input", Device Package=SIP-3, Manufacturer=RECOM, Operating Temperature="-40 - 85°C", Supplier Part Number 1=739-8297, ComponentLink1Description=Datasheet, ComponentLink1URL=https://docs.rs-online.com/9d1a/0900766b8135f258.pdf, Component Type="Not isolated DCDC Convert", Created from=TWilfling, Created On="10.05.2021 11:04:05", Last Updated="11.05.2021 09:24:43", Live Cycle Status=1, Manufacturer Part Number=R-78C3.3-1.0, Mounting Type=THT, PartID=15, Series=R-78C-1.0, Stock number="not stored", Supplier 1=RS, Type="not isolated DCDC converter"
X1 X2 X3: library part 61201421621, "2.54mm Double Row 14-pol Vertical Male Pin Box Header", Device Package=Connector, Manufacturer=Wurth, ComponentLink1Description=Homepage, ComponentLink1URL=https://www.we-online.de/katalog/de/BHD_2_54_MALE_BOX_HEADER_6120XX21621?sq=61201421621#61201421621, ComponentLink2Description=Datasheet, ComponentLink2URL=https://www.we-online.de/katalog/datasheet/61201421621.pdf, Component Type="Wurth Connector", Created from=TWilfling, Created On="29.04.2021 14:12:30", Last Updated="29.04.2021 14:52:34", Live Cycle Status=1, Manufacturer Part Number=61201421621, Mounting Type=THT, Number of positions=14, Number of rows=2, PartID=45, Stock number="not stored", Supplier 1=Wurth, Supplier Part Number 1=61201421621, Type=Connector
X4 X5 X6 X11: library part 691382000003, "2.5mm Single Row 3-pol Vertical PCB Header", Device Package=Connector, Manufacturer=Wurth, ComponentLink1Description=Homepage, ComponentLink1URL=https://www.we-online.de/katalog/de/TBL_2_50_382_VERTICAL_PCB_HEADER_69138200000X?sq=691382000003#691382000003, ComponentLink2Description=Datasheet, ComponentLink2URL=https://www.we-online.de/katalog/datasheet/691382000003.pdf, Component Type="Wurth Connector", Created from=TWilfling, Created On="29.04.2021 14:24:57", Last Updated="29.04.2021 14:52:34", Live Cycle Status=1, Manufacturer Part Number=691382000003, Mounting Type=THT, Number of positions=3, Number of rows=1, PartID=47, Stock number="not stored", Supplier 1=Wurth, Supplier Part Number 1=691382000003, Type=Connector
X7: library part 61200621621, "2.54mm Double Row 6-pol Vertical Male Pin Box Header", Device Package=Connector, Manufacturer=Wurth, ComponentLink1Description=Homepage, ComponentLink1URL=https://www.we-online.de/katalog/de/BHD_2_54_MALE_BOX_HEADER_6120XX21621?sq=61200621621#61200621621, ComponentLink2Description=Datasheet, ComponentLink2URL=https://www.we-online.de/katalog/datasheet/61200621621.pdf, Component Type="Wurth Connector", Created from=TWilfling, Created On="29.04.2021 13:51:54", Last Updated="29.04.2021 14:52:34", Live Cycle Status=1, Manufacturer Part Number=61200621621, Mounting Type=THT, Number of positions=6, Number of rows=2, PartID=44, Stock number="not stored", Supplier 1=Wurth, Supplier Part Number 1=61200621621, Type=Connector
X8: library part IPL1-115-01-L-D-RA-K, "Terminal Assembly, Double Row, Right Angle, Thru-Hole, 2.54 mm x 2.54 mm Pitch, 30 Pins", Device Package=Connector, Manufacturer=SAMTEC, ComponentLink1Description=Homepage, ComponentLink1URL=https://www.samtec.com/products/ipl1, Component Type="Samtec Connector", Created from=TWendt, Created On="12.02.2021 15:31:18", Last Updated="15.02.2021 10:07:42", Live Cycle Status=1, Manufacturer Part Number=IPL1-115-01-L-D-RA-K, Number of positions=30, Number of rows=2, PartID=34, Stock number="not stored", Supplier 1=SAMTEC, Supplier Part Number 1=IPL1-115-01-L-D-RA-K, Type=Connector
X9 X10: library part 61300911121, "Pin Header, 2.54mm, 9 Pins, Single Row", Device Package=THT, Manufacturer=WURTH, ComponentLink1Description=Datasheet, ComponentLink1URL=https://www.we-online.com/catalog/datasheet/61300211121.pdf, ComponentLink2Description=Homepage, ComponentLink2URL=https://www.we-online.com/catalog/en/PHD_2_54_THT_PIN_HEADER_6130XX11121, Component Type="Pin Header", Created from=TWilfling, Created On="18.05.2021 08:47:30", Last Updated="18.05.2021 14:06:54", Live Cycle Status=1, Manufacturer Part Number=61300911121, Mounting Type=THT, Number of positions=9, Number of rows=1, PartID=4, Stock number="not stored", Supplier 1="Wurth Electronik", Supplier Part Number 1=61300911121, Type="Pin Header THT"

## Via types
v1: diameter 0.5, hole 0.3, Top Copper to Bottom Copper, 62 vias
v2: diameter 0.6, hole 0.4, Top Copper to Bottom Copper, 36 vias
v3: diameter 1.27, hole 0.711, Top Copper to Bottom Copper, 4 vias
v4: diameter 5.016, hole 4, Top Copper to Bottom Copper, 4 vias
v5: diameter 4, hole 4, Top Copper to Bottom Copper, 1 vias

## Nets (pads, with @x,y where several pads share a name; then routed paths per layer and width w, separated by ;. In a path a pad name is that pad's centre, name@x,y a point inside that pad or via, vN(x,y) a via of type N, cw(c..) or ccw(c..) an arc to the next point about the centre after c; other vN are vias at no path point)
2A_N: R78.1 U2.3 | length 16
  Top Copper w0.101: U2.3@120.55,58.4 120.088,58.4 120.029,58.341 120.029,54.61 120.283,54.356 125.766,54.356 125.779,54.343 130.863,54.343 130.922,54.402 R78.1@130.922,55.118
2A_P: R77.1 U2.2 | length 16.4
  Top Copper w0.101: U2.2@119.28,58.4 119.742,58.4 119.801,58.341 119.801,54.516 120.189,54.128 125.672,54.128 125.685,54.115 130.863,54.115 130.922,54.056 R77.1@130.922,53.34
2B_N: R76.1 U2.5 | length 10.2
  Top Copper w0.101: U2.5@123.09,58.4 123.552,58.4 123.611,58.341 123.611,57.619 124.033,57.197 128.478,57.197 129.714,58.433 131.032,58.433 131.091,58.374 131.091,57.827 R76.1@130.922,57.658
2B_P: R74.1 U2.6 | length 9.9
  Top Copper w0.101: U2.6@124.36,58.4 123.898,58.4 123.839,58.341 123.839,57.713 124.127,57.425 128.383,57.425 129.619,58.661 131.032,58.661 131.091,58.72 131.091,59.267 R74.1@130.922,59.436
2C_N: R72.1 U2.11 | length 8.1
  Top Copper w0.101: U2.11@124.36,63.85 124.822,63.85 124.881,63.791 124.881,63.069 125.453,62.497 130.488,62.497 130.547,62.438 130.547,62.097 R72.1@130.922,61.722
2C_P: R70.1 U2.10 | length 7.7
  Top Copper w0.101: U2.10@125.63,63.85 125.168,63.85 125.109,63.791 125.109,63.163 125.547,62.725 130.488,62.725 130.547,62.784 130.547,63.125 R70.1@130.922,63.5
2D_N: R68.1 U2.13 | length 12.6
  Top Copper w0.101: U2.13@121.82,63.85 121.358,63.85 121.299,63.909 121.299,64.678 123.423,66.802 128.941,66.802 128.954,66.815 130.863,66.815 130.922,66.756 R68.1@130.922,66.04
2D_P: R67.1 U2.14 | length 12.9
  Top Copper w0.101: U2.14@120.55,63.85 121.012,63.85 121.071,63.909 121.071,64.772 123.329,67.03 128.847,67.03 128.86,67.043 130.863,67.043 130.922,67.102 R67.1@130.922,67.818
3A_N: R71.1 U3.3 | length 16.6
  Top Copper w0.101: U3.3@120.523,42.233 120.061,42.233 120.002,42.174 120.002,38.354 121.272,37.084 129.576,37.084 129.589,37.071 130.863,37.071 130.922,37.13 R71.1@130.922,37.846
3A_P: R69.1 U3.2 | length 16.9
  Top Copper w0.101: U3.2@119.253,42.233 119.715,42.233 119.774,42.174 119.774,38.26 121.178,36.856 129.482,36.856 129.495,36.843 130.863,36.843 130.922,36.784 R69.1@130.922,36.068
3B_N: R75.1 U3.5 | length 9.5
  Top Copper w0.101: U3.5@123.063,42.233 123.525,42.233 123.584,42.174 123.584,41.311 123.988,40.907 130.628,40.907 130.686,40.848 130.686,40.368 R75.1@130.922,40.132
3B_P: R73.1 U3.6 | length 9.1
  Top Copper w0.101: U3.6@124.333,42.233 123.871,42.233 123.812,42.174 123.812,41.405 124.082,41.135 130.628,41.135 130.686,41.194 130.686,41.674 R73.1@130.922,41.91
3C_N: R82.1 U3.11 | length 8.7
  Top Copper w0.101: U3.11@124.333,47.683 124.795,47.683 124.854,47.624 124.854,46.761 126.136,45.479 130.745,45.479 130.804,45.42 130.804,44.822 R82.1@130.922,44.704
3C_P: R81.1 U3.10 | length 8.3
  Top Copper w0.101: U3.10@125.603,47.683 125.141,47.683 125.082,47.624 125.082,46.855 126.23,45.707 130.745,45.707 130.804,45.766 130.804,46.364 R81.1@130.922,46.482
3D_N: R84.1 U3.13 | length 14.7
  Top Copper w0.101: U3.13@121.793,47.683 121.331,47.683 121.272,47.742 121.272,50.8 121.78,51.308 128.016,51.308 129.607,49.717 130.183,49.717 130.263,49.797 130.553,49.797 130.612,49.738 130.612,49.332 R84.1@130.922,49.022
3D_P: R83.1 U3.14 | length 15.1
  Top Copper w0.101: U3.14@120.523,47.683 120.985,47.683 121.044,47.742 121.044,50.894 121.686,51.536 128.11,51.536 129.701,49.945 130.089,49.945 130.169,50.025 130.553,50.025 130.612,50.084 130.612,50.49 R83.1@130.922,50.8
3V3: C6.2 C7.2 C8.1 C12.2 C13.2 R1.2 U4.16 U5.16 U6.3
5V: C2.2 C3.1 C4.2 C5.2 C20.2 IC3.4 R60.2 U1.3 U2.16 U3.16 X1.11 X1.12 X2.11 X2.12 X3.11 X3.12 X4.1 X5.1 X6.1 | length 29.4
  Top Copper w0.15: C20.2@44.196,60.136 C20.2@44.258,60.198 ; v2(117.54,68.518) v2(117.54,67.279) C4.2@117.54,66.04 117.815,65.765 117.815,65.373 118.01,65.178 U2.16@118.01,63.85
  Top Copper w0.254: v1(37.276,60.136) C20.2@44.196,60.136 ; C20.2@44.258,60.198 IC3.4@48.006,60.198
  Top Copper w0.5: v2(73.66,29.718) 76.454,26.924 86.168,26.924 86.218,26.974 R60.2@86.218,26.924
  other v2: 75.184,29.718 73.66,30.988 75.184,30.988 117.094,52.324 118.11,52.324
24V: F1.1 F2.1 X1.13 X1.14 X2.13 X2.14 X3.13 X3.14 X11.3
F1_N: R68.2 X8.24 | length 22.8
  Top Copper w0.101: R68.2@132.222,66.04 132.34,66.158 132.34,66.756 132.399,66.815 141.006,66.815 142.805,68.615 151.244,68.615 152.016,67.842 152.016,67.759 151.957,67.7 X8.24@150.86,67.7
F1_P: R67.2 X8.9 | length 23.2
  Top Copper w0.101: R67.2@132.222,67.818 132.34,67.7 132.34,67.102 132.399,67.043 140.912,67.043 142.711,68.842 151.338,68.842 152.244,67.936 152.244,67.759 152.303,67.7 X8.9@153.4,67.7
F2_N: R72.2 X8.26 | length 22.3
  Top Copper w0.101: R72.2@132.222,61.722 132.597,62.097 132.597,62.438 132.656,62.497 141.515,62.497 142.553,63.535 151.244,63.535 152.016,62.762 152.016,62.679 151.957,62.62 X8.26@150.86,62.62
F2_P: R70.2 X8.11 | length 22.7
  Top Copper w0.101: R70.2@132.222,63.5 132.597,63.125 132.597,62.784 132.656,62.725 141.421,62.725 142.458,63.762 151.338,63.762 152.244,62.856 152.244,62.679 152.303,62.62 X8.11@153.4,62.62
F3_N: R76.2 X8.27 | length 23.4
  Top Copper w0.101: R76.2@132.222,57.658 132.053,57.827 132.053,58.374 132.112,58.433 140.482,58.433 143.043,60.995 151.244,60.995 152.016,60.222 152.016,60.139 151.957,60.08 X8.27@150.86,60.08
F3_P: R74.2 X8.12 | length 23.8
  Top Copper w0.101: R74.2@132.222,59.436 132.053,59.267 132.053,58.72 132.112,58.661 140.387,58.661 142.949,61.222 151.338,61.222 152.244,60.316 152.244,60.139 152.303,60.08 X8.12@153.4,60.08
F4_N: R78.2 X8.28 | length 22.8
  Top Copper w0.101: R78.2@132.222,55.118 132.597,54.743 132.597,54.402 132.656,54.343 140.538,54.343 142.565,56.37 150.988,56.37 152.016,57.398 152.016,57.481 151.957,57.54 X8.28@150.86,57.54
F4_P: R77.2 X8.13 | length 23.2
  Top Copper w0.101: R77.2@132.222,53.34 132.597,53.715 132.597,54.056 132.656,54.115 140.632,54.115 142.659,56.142 151.082,56.142 152.244,57.304 152.244,57.481 152.303,57.54 X8.13@153.4,57.54
F5_N: R71.2 X8.29 | length 40.4
  Top Copper w0.101: R71.2@132.222,37.846 132.222,37.13 132.281,37.071 138.176,37.071 149.873,48.768 155.194,48.768 157.226,50.8 157.226,52.07 155.438,53.858 152.922,53.858 152.016,54.764 152.016,54.941 151.957,55 X8.29@150.86,55
F5_P: R69.2 X8.14 | length 40.9
  Top Copper w0.101: R69.2@132.222,36.068 132.222,36.784 132.281,36.843 138.27,36.843 149.967,48.54 155.288,48.54 157.454,50.706 157.454,52.164 155.532,54.085 153.016,54.085 152.244,54.858 152.244,54.941 152.303,55 153.172,55 X8.14@153.4,55.227
F6_N: R75.2 X8.30 | length 36.6
  Top Copper w0.101: R75.2@132.222,40.132 132.222,40.848 132.281,40.907 138.778,40.907 147.681,49.81 154.78,49.81 156.184,51.214 156.184,52.418 154.972,53.63 152.95,53.63 152.016,52.696 152.016,52.519 151.957,52.46 X8.30@150.86,52.46
F6_P: R73.2 X8.15 | length 35.5
  Top Copper w0.101: R73.2@132.222,41.91 132.222,41.194 132.281,41.135 138.684,41.135 147.587,50.038 154.686,50.038 155.956,51.308 155.956,52.324 154.877,53.403 153.044,53.403 152.244,52.602 152.244,52.519 152.303,52.46 X8.15@153.4,52.46
G1: U4.3 X1.5 | length 113
  Top Copper w0.254: v1(104.394,98.806) 104.902,98.806 114.046,89.662 120.288,89.662 120.85,89.1 U4.3@120.85,87.8
  Bottom Copper w0.13: X1.5@21.74,95.8 20.5,97.04 20.5,101.272 20.834,101.606 100.07,101.606 102.87,98.806 v1(104.394,98.806)
G1_N: R61.1 U4.1 X8.17 | length 38.7
  Top Copper w0.101: U4.1@118.31,87.8 118.772,87.8 118.831,87.741 118.831,86.878 121.423,84.286 131.036,84.286 131.095,84.227 131.095,84.125 131.469,83.75 R61.1@131.5,83.75 131.531,83.75 131.905,84.125 131.905,84.227 131.964,84.286 147.208,84.286 149.316,86.395 151.244,86.395 152.016,85.622 152.016,85.539 151.957,85.48 X8.17@150.86,85.48
G1_P: R61.2 U4.2 X8.2 | length 38.7
  Top Copper w0.101: U4.2@119.58,87.8 119.118,87.8 119.059,87.741 119.059,86.972 121.517,84.514 131.036,84.514 131.095,84.573 131.095,84.675 131.469,85.05 R61.2@131.5,85.05 131.531,85.05 131.905,84.675 131.905,84.573 131.964,84.514 147.114,84.514 149.222,86.622 151.338,86.622 152.244,85.716 152.244,85.539 152.303,85.48 X8.2@153.4,85.48
G2: U4.5 X2.5 | length 87.7
  Top Copper w0.254: v1(107.696,97.282) 107.95,97.282 114.5,90.732 122.882,90.732 123.39,90.224 U4.5@123.39,87.8
  Bottom Copper w0.13: X2.5@49.36,95.8 48.015,97.145 48.015,100.339 48.768,101.092 98.298,101.092 102.108,97.282 v1(107.696,97.282)
G2_N: R63.1 U4.7 X8.18 | length 41
  Top Copper w0.101: U4.7@125.93,87.8 125.468,87.8 125.409,87.859 125.409,88.628 127.599,90.818 133.882,90.818 133.941,90.759 133.941,90.657 134.316,90.282 134.397,90.282 134.771,90.657 134.771,90.759 134.83,90.818 152.217,90.818 154.542,88.493 154.542,85.007 153.707,84.172 153.012,84.172 152.016,83.176 152.016,82.999 151.957,82.94 X8.18@150.86,82.94
G2_P: R63.2 U4.6 X8.3 | length 41.8
  Top Copper w0.101: U4.6@124.66,87.8 125.122,87.8 125.181,87.859 125.181,88.722 127.505,91.046 133.882,91.046 133.941,91.105 133.941,91.207 134.316,91.582 134.397,91.582 134.771,91.207 134.771,91.105 134.83,91.046 152.311,91.046 154.77,88.587 154.77,84.913 153.802,83.945 153.106,83.945 152.244,83.082 152.244,82.999 152.303,82.94 X8.3@153.4,82.94
G3: U4.11 X3.5 | length 59.1
  Top Copper w0.254: v1(110.998,95.758) 111.76,95.758 116.078,91.44 124.46,91.44 124.66,91.64 U4.11@124.66,93.25
  Bottom Copper w0.13: X3.5@76.98,95.8 76.666,95.8 75.692,96.774 75.692,99.822 75.946,100.076 96.52,100.076 100.838,95.758 v1(110.998,95.758)
G3_N: R65.1 U4.9 X8.19 | length 48.7
  Top Copper w0.101: U4.9@127.2,93.25 126.738,93.25 126.679,93.309 126.679,93.937 128.928,96.186 130.836,96.186 130.895,96.127 130.895,96.025 131.269,95.65 R65.1@131.3,95.65 131.331,95.65 131.705,96.025 131.705,96.127 131.764,96.186 149.614,96.186 157.75,88.05 157.75,85.675 153.873,81.798 153.178,81.798 152.016,80.636 152.016,80.459 151.957,80.4 X8.19@150.86,80.4
G3_P: R65.2 U4.10 X8.4 | length 49.4
  Top Copper w0.101: U4.10@125.93,93.25 126.392,93.25 126.451,93.309 126.451,94.031 128.834,96.414 130.836,96.414 130.895,96.473 130.895,96.575 131.269,96.95 R65.2@131.3,96.95 131.331,96.95 131.705,96.575 131.705,96.473 131.764,96.414 149.708,96.414 157.978,88.144 157.978,85.58 153.967,81.57 153.272,81.57 152.244,80.542 152.244,80.459 152.303,80.4 X8.4@153.4,80.4